# Altium PCB flight controller rev2.PcbDoc (part 1 of 3) (continued)
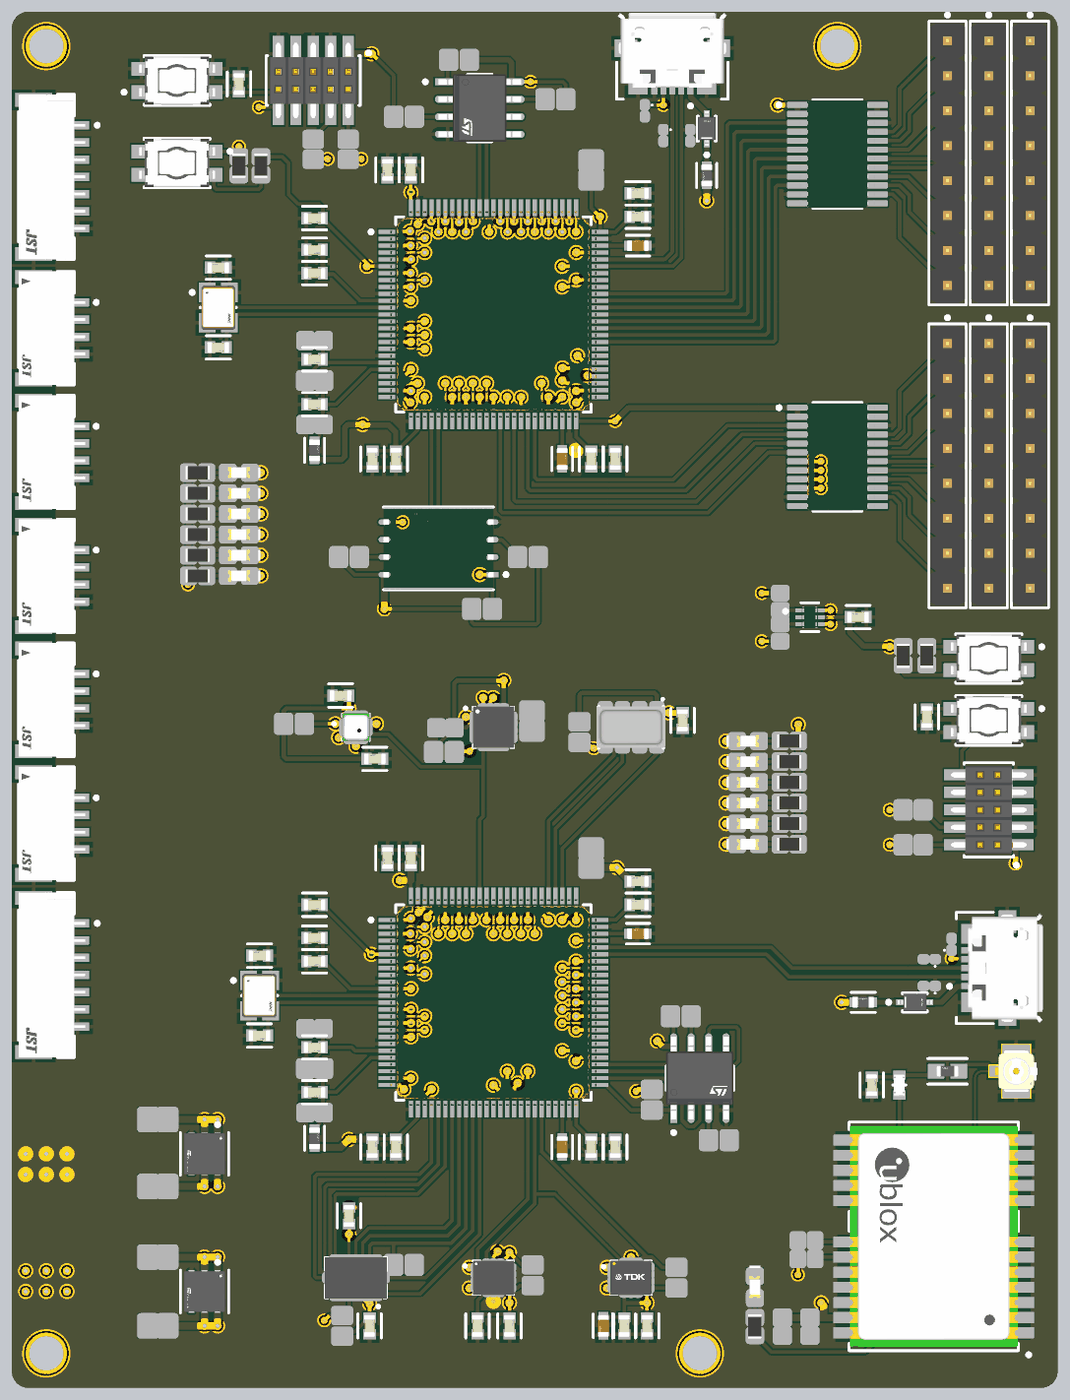
[diagram p6: 3D render of the assembled board from above, using the file's embedded part models]

## Layer stack, top to bottom
Top Solder: solder mask 0.5, Solder Resist, Dk 3.3
Top Layer: signal copper 1.378
Dielectric 1: prepreg 2.8, PP-006, Dk 4.1
horizontal: signal copper 1.378
Dielectric1: core 59, FR-4, Dk 4.3
vertical: signal copper 1.378
Dielectric 2: prepreg 2.8, PP-006, Dk 4.1
Bottom Layer: signal copper 1.378
Bottom Solder: solder mask 0.5, Solder Resist, Dk 3.3

## Board outline
0,47.24 ccw(c47.24,47.24) 47.24,0 2944.88,0 ccw(c2944.88,47.24) 2992.13,47.24 2992.13,3889.76 ccw(c2944.88,3889.76) 2944.88,3937.01 47.24,3937.01 ccw(c47.24,3889.76) 0,3889.76

## Design rules (kind name [scope] priority, off if disabled: settings)
Clearance Clearance_2 [WithinRoom('MP')] p1: gap=5 ignorepadtopadclearanceinfootprint=TRUE
Clearance Clearance_1 [WithinRoom('CP')] p2: gap=5 ignorepadtopadclearanceinfootprint=TRUE
Clearance [All] p3: gap=5 ignorepadtopadclearanceinfootprint=TRUE
DiffPairsRouting [All] p1: maxlimit=10 minlimit=10 mostfreqgap=10 toplayer_minwidth=10 toplayer_maxwidth=10 toplayer_prefwidth=10 midlayer1_minwidth=10 midlayer1_maxwidth=10 midlayer1_prefwidth=10 midlayer2_minwidth=10 midlayer2_maxwidth=10 midlayer2_prefwidth=10 bottomlayer_minwidth=10 bottomlayer_maxwidth=10 bottomlayer_prefwidth=10 maxuncoupledlength=500
HoleSize [All] p1: absolutevalues=TRUE maxlimit=300 minlimit=10 maxpercent=80.000 minpercent=20.000
MinimumAnnularRing [All] p1: minimumring=10
PasteMaskExpansion [All] p1: expansion=10
PlaneClearance [All] p1: clearance=15
PlaneConnect [All] p1: pad.planeconnectstyle=Relief pad.reliefexpansion=20 pad.reliefentries=4 pad.reliefconductorwidth=10 pad.reliefairgap=10 via.planeconnectstyle=Direct via.reliefexpansion=20 via.reliefentries=4 via.reliefconductorwidth=10 via.reliefairgap=10
PolygonConnect [All] p1: thpad.connectstyle=Relief thpad.reliefconductorwidth=10 thpad.reliefentries=4 thpad.polygonreliefangle="90 Angle" thpad.airgapwidth=10 smdpad.connectstyle=Relief smdpad.reliefconductorwidth=10 smdpad.reliefentries=4 smdpad.polygonreliefangle="90 Angle" smdpad.airgapwidth=10 via.connectstyle=Direct via.reliefconductorwidth=10 via.reliefentries=4 via.polygonreliefangle="90 Angle" via.airgapwidth=10
RoomDefinition CP [InComponentClass('Room Definition2')] p1: confinementstyle=ConfineIn formatcopy=TRUE lockcomponents=FALSE outline 1007.7,755.75 1007.7,1448.98 1724.55,1448.98 1724.55,755.75
RoomDefinition MP [InComponentClass('Room Definition1')] p2: confinementstyle=ConfineIn formatcopy=TRUE lockcomponents=FALSE outline 1007.7,2724.25 1007.7,3417.48 1724.55,3417.48 1724.55,2724.25
RoutingVias [All] p1: holewidth=10 width=20 viastyle="Through Hole" minholewidth=10 minwidth=20 maxholewidth=10 maxwidth=20
SMDNeckDown [All] p1: percent=100.000
SilkToSolderMaskClearance SilkscreenOverComponentPads [IsPad] p1: minsilkscreentomaskgap=10 clearancetoexposedcopper=TRUE
SolderMaskExpansion [All] p1: expansion=10 istentingtop=FALSE
SupplyNets "Schematic Supply Nets_4" [InNet('3V3_B')] p1: voltage=0.000
SupplyNets "Schematic Supply Nets_3" [InNet('3V3_A')] p2: voltage=0.000
SupplyNets "Schematic Supply Nets_2" [InNet('GND')] p3: voltage=0.000
SupplyNets "Schematic Supply Nets_1" [InNet('+5')] p4: voltage=0.000
Width [All] p1: maxlimit=70 minlimit=5 preferedwidth=10
24 further rules are at their usual default settings.

## Classes and differential pairs
component class "Room Definition2": U6
component class "Room Definition1": U3
component class Baro_Ma: C48 C49 C50 C51 C57 R24 R25 R26 U10 U11 U12
component class Power: C58 C59 C60 C61 C? J4 J5 J6 J7 J8 J9 J10 R1 R2 R3 R4 R51 R52 R53 R54 R55 R56 R57 R58 U2 U18 U?
component class IMU: C41 C42 C43 C44 C45 C46 C47 R20 R21 R22 R23 U7 U8 U9
component class PWM: P1 P2 P3 P4 P5 P6 U14 U15 U17
component class CoProcessor: C21 C22 C23 C24 C25 C26 C27 C28 C29 C30 C31 C32 C33 C34 C35 C36 C37 C38 C39 C40 FB2 R12 R17 R18 R19 U6 U16 Y2
component class MainProcessor: C1 C2 C3 C4 C5 C6 C7 C8 C9 C10 C11 C12 C13 C14 C15 C16 C17 C18 C19 C20 FB1 R5 R6 R7 R8 R9 R10 R11 U3 U4 U5 Y1
component class GPS: C52 C53 C54 D1 FB3 J1 R13 R14 R27 R28 U13
component class Debug: C55 C56 D2 D3 D4 D5 D6 D7 D8 D9 D10 D11 D12 D13 D14 D15 D16 D17 D18 D19 D20 D21 FB4 FB5 J2 J3 R29 R30 R31 R32 R35 R36 R37 R38 R39 R40 R41 R42 R43 R44 R45 R46 R47 R48 R49 R50 SW1 SW2 SW3 SW4 SWD1 SWD2

## Components (designator, comment, footprint, x,y, rotation, side; value= is the part's Value field where it differs from the comment)
C1 "10uF" CAPC2013X145X50LL20T25 1657.47,3484.25 r90 top locked
C2 "0.1uF" FP-C0603C-CF-MFG 866.13,3346.46 r180 top locked value="0.10 μF"
C3 "0.1uF" FP-C0603C-CF-MFG 1074.79,3484.25 r90 top locked value="0.10 μF"
C4 "0.1uF" FP-C0603C-CF-MFG 1141.72,3484.25 r90 top locked value="0.10 μF"
C5 "0.1uF" FP-C0603C-CF-MFG 1791.32,3350.39 r0 top locked value="0.10 μF"
C6 "0.1uF" FP-C0603C-CF-MFG 1791.32,3417.32 r0 top locked value="0.10 μF"
C7 "0.1uF" FP-C0603C-CF-MFG 1726.36,2657.48 r270 top locked value="0.10 μF"
C8 "0.1uF" FP-C0603C-CF-MFG 1657.47,2657.48 r270 top locked value="0.10 μF"
C9 "0.1uF" FP-C0603C-CF-MFG 1031.48,2657.48 r270 top locked value="0.10 μF"
C10 "0.1uF" FP-C0603C-CF-MFG 1098.41,2657.48 r270 top locked value="0.10 μF"
C11 "0.1uF" FP-C0603C-CF-MFG 866.13,3255.91 r180 top locked value="0.10 μF"
C12 "0.1uF" FP-C0603C-CF-MFG 866.13,3188.98 r180 top locked value="0.10 μF"
C13 "1uF" CAPC1608X90X35LL15T15 866.13,2755.91 r180 top locked
C14 "0.1uF" FP-C0603C-CF-MFG 866.13,2813.98 r180 top locked value="0.10 μF"
C15 "1uF" CAPC1608X90X35LL15T15 866.13,2996.06 r180 top locked
C16 "0.1uF" FP-C0603C-CF-MFG 866.13,2942.39 r180 top locked value="0.10 μF"
C17 "10pF" FP-C0603C-CF-MFG 590.54,2976.38 r180 top locked value="10 pF"
C18 "10pF" FP-C0603C-CF-MFG 590.54,3204.72 r0 top locked value="10 pF"
C19 "2.2uF" FP-GRM188-0_1-e0_2_0_5-MFG 1791.32,3267.72 r180 top locked
C20 "2.2uF" FP-GRM188-0_1-e0_2_0_5-MFG 1574.79,2657.48 r90 top locked
C21 "10uF" CAPC2013X145X50LL20T25 1657.47,1515.75 r90 top locked
C22 "0.1uF" FP-C0603C-CF-MFG 866.13,1381.89 r180 top locked value="0.10 μF"
C23 "0.1uF" FP-C0603C-CF-MFG 1074.79,1515.75 r90 top locked value="0.10 μF"
C24 "0.1uF" FP-C0603C-CF-MFG 1141.72,1515.75 r90 top locked value="0.10 μF"
C25 "0.1uF" FP-C0603C-CF-MFG 1791.32,1381.89 r0 top locked value="0.10 μF"
C26 "0.1uF" FP-C0603C-CF-MFG 1791.32,1448.82 r0 top locked value="0.10 μF"
C27 "0.1uF" FP-C0603C-CF-MFG 1726.36,688.98 r270 top locked value="0.10 μF"
C28 "0.1uF" FP-C0603C-CF-MFG 1657.47,688.98 r270 top locked value="0.10 μF"
C29 "0.1uF" FP-C0603C-CF-MFG 1031.48,688.98 r270 top locked value="0.10 μF"
C30 "0.1uF" FP-C0603C-CF-MFG 1098.41,688.98 r270 top locked value="0.10 μF"
C31 "0.1uF" FP-C0603C-CF-MFG 866.13,1287.4 r180 top locked value="0.10 μF"
C32 "0.1uF" FP-C0603C-CF-MFG 866.13,1220.47 r180 top locked value="0.10 μF"
C33 "1uF" CAPC1608X90X35LL15T15 866.13,787.4 r180 top locked
C34 "0.1uF" FP-C0603C-CF-MFG 866.13,845.47 r180 top locked value="0.10 μF"
C35 "1uF" CAPC1608X90X35LL15T15 866.13,1027.56 r180 top locked
C36 "0.1uF" FP-C0603C-CF-MFG 866.13,973.89 r180 top locked value="0.10 μF"
C37 "10pF" FP-C0603C-CF-MFG 708.65,1007.87 r180 top locked value="10 pF"
C38 "10pF" FP-C0603C-CF-MFG 708.65,1236.22 r0 top locked value="10 pF"
C39 "2.2uF" FP-GRM188-0_1-e0_2_0_5-MFG 1791.32,1299.21 r180 top locked
C40 "2.2uF" FP-GRM188-0_1-e0_2_0_5-MFG 1574.79,688.98 r90 top locked
C41 "0.1uF" FP-C0603C-CF-MFG 964.55,492.13 r90 top locked value="0.10 μF"
C42 "0.1uF" FP-C0603C-CF-MFG 1023.61,177.17 r270 top locked value="0.10 μF"
C43 "2.2uF" FP-GRM188-0_1-e0_2_0_5-MFG 1692.78,177.17 r270 top locked
C44 "0.1uF" FP-C0603C-CF-MFG 1817.5,177.17 r270 top locked value="0.10 μF"
C45 "0.1uF" FP-C0603C-CF-MFG 1751.95,177.17 r270 top locked value="0.10 μF"
C46 "0.1uF" FP-C0603C-CF-MFG 1423.71,177.17 r270 top locked value="0.10 μF"
C47 "0.1uF" FP-C0603C-CF-MFG 1332.17,177.17 r270 top locked value="0.10 μF"
C48 "0.1uF" FP-C0603C-CF-MFG 1919.28,1909.45 r270 top locked value="0.10 μF"
C49 "10uF" CAPC2013X145X50LL20T25 1488.17,1907.48 r90 top locked
C50 "0.1uF" FP-C0603C-CF-MFG 940.93,1980.32 r180 top value="0.10 μF"
C51 "0.1uF" FP-C0603C-CF-MFG 1038.57,1799.21 r0 top locked value="0.10 μF"
C52 "1uF" CAPC1608X90X35LL15T15 2204.71,175.2 r90 top locked
C53 "1uF" CAPC1608X90X35LL15T15 2283.45,175.2 r90 top locked
C54 "C0603C470J1GACTU" FP-C0603C-CF-MFG 2460.61,866.14 r270 top value="47 pF"
C55 "0.1uF" FP-C0603C-CF-MFG 649.59,3730.32 r90 top locked value="0.10 μF"
C56 "0.1uF" FP-C0603C-CF-MFG 2618.1,1919.29 r270 top locked value="0.10 μF"
C57 "1uF" CAPC1608X90X35LL15T15 1240.14,1887.99 r180 top locked
C58 "C0805C106K8RACTU" CAPC2013X145X50LL20T25 417.32,767.72 r180 top locked
C59 "C0805C106K8RACTU" CAPC2013X145X50LL20T25 417.32,576.18 r180 top locked
C60 "C0805C106K8RACTU" CAPC2013X145X50LL20T25 417.32,177.17 r180 top locked
C61 "C0805C106K8RACTU" CAPC2013X145X50LL20T25 417.32,374.02 r180 top locked
C? "0.1uF" FP-C0603C-CF-MFG 2421.26,2204.72 r0 top value="0.10 μF"
D1 "150060RS75000" WL-SMCW_0603_150060xx75000 2125.97,287.99 r270 top locked
D2 "SD103AWS-7-F" FP-SOD323-MFG 1988.17,3602.36 r90 top locked value=35pF
D3 "SD103AWS-7-F" FP-SOD323-MFG 2583.65,1102.85 r0 top locked value=35pF
D4 "150060RS75000" WL-SMCW_0603_150060xx75000 649.59,2618.11 r180 top locked
D5 "150060RS75000" WL-SMCW_0603_150060xx75000 649.59,2559.06 r180 top locked
D6 "150060RS75000" WL-SMCW_0603_150060xx75000 649.59,2500 r180 top locked
D7 "150060RS75000" WL-SMCW_0603_150060xx75000 649.59,2440.95 r180 top locked
D8 "150060RS75000" WL-SMCW_0603_150060xx75000 649.59,2381.89 r180 top locked
D9 "150060RS75000" WL-SMCW_0603_150060xx75000 649.59,2322.84 r180 top locked
D10 "150060RS75000" WL-SMCW_0603_150060xx75000 2106.28,1555.12 r0 top locked
D11 "150060RS75000" WL-SMCW_0603_150060xx75000 2106.28,1614.17 r0 top locked
D12 "150060RS75000" WL-SMCW_0603_150060xx75000 2106.28,1673.23 r0 top locked
D13 "150060RS75000" WL-SMCW_0603_150060xx75000 2106.28,1732.28 r0 top locked
D14 "150060RS75000" WL-SMCW_0603_150060xx75000 2106.28,1791.34 r0 top locked
D15 "150060RS75000" WL-SMCW_0603_150060xx75000 2106.28,1850.39 r0 top locked
D16 "ESD9B5.0ST5G" ONSC-SOD-923-2-514AB-01_V 1940.93,3582.68 r270 top locked
D17 "ESD9B5.0ST5G" ONSC-SOD-923-2-514AB-01_V 1864.16,3582.68 r270 top locked
D18 "ESD9B5.0ST5G" ONSC-SOD-923-2-514AB-01_V 1811.02,3653.54 r270 top locked
D19 "ESD9B5.0ST5G" ONSC-SOD-923-2-514AB-01_V 2625.18,1149.61 r180 top locked
D20 "ESD9B5.0ST5G" ONSC-SOD-923-2-514AB-01_V 2625.18,1226.38 r180 top locked
D21 "ESD9B5.0ST5G" ONSC-SOD-923-2-514AB-01_V 2688.96,1268.5 r90 top locked
FB1 "BLM18PG471SN1D" FP-BLM18-0_15-t0_8-MFG 866.13,2682.3 r90 top locked
FB2 "BLM18PG471SN1D" FP-BLM18-0_15-t0_8-MFG 866.13,713.79 r90 top locked
FB3 "MPZ1608D300BTA00" FP-MPZ1608-0_8-IPC_A 2677.15,905.51 r180 top locked
FB4 "BLM18PG471SN1D" FP-BLM18-0_15-t0_8-MFG 1988.17,3468.7 r270 top locked
FB5 "BLM18PG471SN1D" FP-BLM18-0_15-t0_8-MFG 2436.01,1102.85 r180 top locked
J1 "U.FL-R-SMT-1(10)" FP-U_FL-R-SMT-1_10-MFG 2874,905.51 r90 top locked
J2 "473460001" FP-473460001-MFG 1889.75,3818.9 r180 top locked
J3 "473460001" FP-473460001-MFG 2834.63,1200.79 r90 top locked
J4 "SM07B-GHS-TB(LF)(SN)" FP-SM07B-GHS-TB_LF_SN-MFG 98.43,3464.57 r270 top locked
J5 "SM04B-GHS-TB(LF)(SN)" FP-SM04B-GHS-TB_LF_SN-MFG 98.43,3031.5 r270 top locked
J6 "SM04B-GHS-TB(LF)(SN)" FP-SM04B-GHS-TB_LF_SN-MFG 98.43,2677.17 r270 top locked
J7 "SM04B-GHS-TB(LF)(SN)" FP-SM04B-GHS-TB_LF_SN-MFG 98.43,2322.83 r270 top locked
J8 "SM04B-GHS-TB(LF)(SN)" FP-SM04B-GHS-TB_LF_SN-MFG 98.43,1968.5 r270 top locked
J9 "SM04B-GHS-TB(LF)(SN)" FP-SM04B-GHS-TB_LF_SN-MFG 98.43,1614.17 r270 top locked
J10 "SM07B-GHS-TB(LF)(SN)" FP-SM07B-GHS-TB_LF_SN-MFG 98.43,1181.1 r270 top locked
P1 "61300811121" 61300811121 2677.15,2637.8 r270 top locked
P2 "61300811121" 61300811121 2795.26,2637.8 r270 top locked
P3 "61300811121" 61300811121 2913.37,2637.8 r270 top locked
P4 "61300811121" 61300811121 2677.15,3503.94 r270 top locked
P5 "61300811121" 61300811121 2795.26,3503.94 r270 top locked
P6 "61300811121" 61300811121 2913.37,3503.94 r270 top locked
R1 "ERJ-3GEYJ472V" RESC1608X55X30LL15T15#1 62.99,2396.65 r180 bottom locked
R2 "ERJ-3GEYJ472V" RESC1608X55X30LL15T15#1 62.99,2347.44 r0 bottom locked
R3 "ERJ-3GEYJ472V" RESC1608X55X30LL15T15#1 62.99,1687.99 r180 bottom locked
R4 "ERJ-3GEYJ472V" RESC1608X55X30LL15T15#1 62.99,1638.78 r180 bottom locked
R5 "100K" RESC1608X55X30ML20T10 1476.36,2376.58 r0 top locked
R6 "100K" RESC1608X55X30ML20T10 964.55,2376.58 r180 top locked
R7 "100K" RESC1608X55X30ML20T10 1345.48,2228.35 r180 top locked
R8 "100K" RESC1608X55X30ML20T10 1122.03,3636.42 r180 top locked
R9 "100K" RESC1608X55X30ML20T10 1555.1,3686.42 r0 top locked
R10 "100K" RESC1608X55X30ML20T10 1279.51,3799.21 r0 top locked
R11 "ERA3AEB470V" RESC1608X55X30NL20T20 866.13,2881.89 r0 top locked
R12 "ERA3AEB470V" RESC1608X55X30NL20T20 866.13,913.39 r0 top locked
R13 "ERJ-3GEYJ472V" RESC1608X55X30LL15T15#1 2273.62,368.85 r0 top locked
R14 "ERJ-3GEYJ472V" RESC1608X55X30LL15T15#1 2273.62,421.26 r0 top locked
R17 "100K" RESC1608X55X30ML20T10 2023.02,708.66 r0 top locked
R18 "100K" RESC1608X55X30ML20T10 1913.96,1062.99 r180 top locked
R19 "100K" RESC1608X55X30ML20T10 1830.69,824.17 r90 top locked
R20 "100K" RESC1608X55X30ML20T10 944.87,177.17 r270 top locked
R21 "100K" RESC1608X55X30ML20T10 1121.75,351.54 r0 top locked
R22 "100K" RESC1608X55X30ML20T10 1901.56,314.96 r270 top locked
R23 "100K" RESC1608X55X30ML20T10 1490.02,322.01 r270 top locked
R24 "100K" RESC1608X55X30ML20T10 1624,1875.98 r90 top locked
R25 "100K" RESC1608X55X30ML20T10 1236.21,1818.9 r180 top locked
R26 "100K" RESC1608X55X30ML20T10 807.07,1899.61 r180 top locked
R27 "ERJ-3EKF3300V" RESC1608X55X30LL15T15#2 2125.97,175.2 r90 top locked
R28 "ERJ-3EKF10R0V" FP-ERJ3EK-MFG 2539.36,866.14 r270 top value=10Ω
R29 "ERJ-3EKF49R9V" RESC1608X55X30ML15T15 962.19,3543.31 r270 top locked
R30 "ERJ-3EKF49R9V" RESC1608X55X30ML15T15 862.19,3543.31 r270 top locked
R31 "ERJ-3EKF49R9V" RESC1608X55X30ML15T15 2578.73,1553.54 r180 top locked
R32 "ERJ-3EKF49R9V" RESC1608X55X30ML15T15 2578.73,1653.54 r180 top locked
R35 "10K" RESC1609X55X30LL15T15 649.59,3496.06 r90 top locked
R36 "10K" RESC1609X55X30LL15T15 712.58,3496.06 r270 top locked
R37 "10K" RESC1609X55X30LL15T15 2618.1,2094.49 r90 top locked
R38 "10K" RESC1609X55X30LL15T15 2550.18,2094.49 r270 top locked
R39 "ERJ-3EKF3300V" RESC1608X55X30LL15T15#2 531.48,2618.11 r0 top locked
R40 "ERJ-3EKF3300V" RESC1608X55X30LL15T15#2 531.48,2559.06 r0 top locked
R41 "ERJ-3EKF3300V" RESC1608X55X30LL15T15#2 531.48,2500 r0 top locked
R42 "ERJ-3EKF3300V" RESC1608X55X30LL15T15#2 531.48,2440.95 r0 top locked
R43 "ERJ-3EKF3300V" RESC1608X55X30LL15T15#2 531.48,2381.89 r0 top locked
R44 "ERJ-3EKF3300V" RESC1608X55X30LL15T15#2 531.48,2322.84 r0 top locked
R45 "ERJ-3EKF3300V" RESC1608X55X30LL15T15#2 2224.39,1555.12 r180 top locked
R46 "ERJ-3EKF3300V" RESC1608X55X30LL15T15#2 2224.39,1614.17 r180 top locked
R47 "ERJ-3EKF3300V" RESC1608X55X30LL15T15#2 2224.39,1673.23 r180 top locked
R48 "ERJ-3EKF3300V" RESC1608X55X30LL15T15#2 2224.39,1732.28 r180 top locked
R49 "ERJ-3EKF3300V" RESC1608X55X30LL15T15#2 2224.39,1791.34 r180 top locked
R50 "ERJ-3EKF3300V" RESC1608X55X30LL15T15#2 2224.39,1850.39 r180 top locked
R51 "ERJ-3GEYJ101V" RESC1608X55X30LL15T15#1 196.85,2775.59 r270 bottom
R52 "ERJ-3GEYJ101V" RESC1608X55X30LL15T15#1 255.91,2726.38 r270 bottom
R53 "ERJ-3GEYJ101V" RESC1608X55X30LL15T15#1 192.91,3131.89 r270 bottom
R54 "ERJ-3GEYJ101V" RESC1608X55X30LL15T15#1 251.97,3082.68 r270 bottom
R55 "ERJ-3GEYJ101V" RESC1608X55X30LL15T15#1 255.91,2017.72 r90 bottom
R56 "ERJ-3GEYJ101V" RESC1608X55X30LL15T15#1 196.85,1968.5 r90 bottom
R57 "ERJ-3GEYJ101V" RESC1608X55X30LL15T15#1 2198.8,2249.02 r270 top
R58 "ERJ-3GEYJ101V" RESC1608X55X30LL15T15#1 2198.8,2160.43 r90 top
SW1 "EVQ-P2402M" FP-EVQ-P2402M-MFG 472.43,3740.16 r90 top locked
SW2 "EVQ-P2402M" FP-EVQ-P2402M-MFG 472.43,3503.94 r270 top locked
SW3 "EVQ-P2402M" FP-EVQ-P2402M-MFG 2795.26,1909.45 r270 top locked
SW4 "EVQ-P2402M" FP-EVQ-P2402M-MFG 2795.26,2086.61 r270 top locked
SWD1 "M50-3600542R" FP-M50-3600542R-MFG 862.19,3740.16 r180 top locked
SWD2 "M50-3600542R" FP-M50-3600542R-MFG 2795.26,1653.54 r90 top locked
U2 "LD39200PU33R" FP-DFN6-7946637-MFG 551.18,669.29 r270 top locked
U3 "STM32H753VIT6" FP-LQFP100-1L-MFG 1377.94,3070.87 r0 top locked
U4 "MT29F4G01ABAFDWB-IT:F" FP-WB-IPC_B 1220.46,2401.58 r180 top locked
U5 "M95M04-DRMN6TP" FP-SO8N-SO-A-IPC_C 1338.57,3661.42 r0 top locked
U6 "STM32H753VIT6" FP-LQFP100-1L-MFG 1377.94,1102.36 r0 top locked
U7 "BMI088" PQFN50P450X300X100-16N 984.24,314.96 r180 top locked
U8 "ICM-42688-P" PQFN50P300X250X97-14N 1771.64,314.96 r0 top locked
U9 "ICM-45686" IC_ICM-45686 1377.94,314.96 r0 top locked
U10 "MS561101BA03-50" MS561101BA03-50 1771.64,1889.76 r270 top locked
U11 "ICP-20100" PQFN50P200X200X85-10N 984.24,1889.76 r0 top locked
U12 "MMC5983MA" PQFN50P300X300X100-16N 1377.94,1889.76 r0 top locked
U13 "NEO-M9N-00B" FP-NEO-M9N-00B-MFG 2637.78,433.07 r270 top locked
U14 "SN74LVC8T245PWR" FP-PW0024A-MFG 2362.19,2663.39 r0 top locked
U15 "SN74LVC8T245PWR" FP-PW0024A-MFG 2362.19,3529.53 r0 top locked
U16 "M95M04-DRMN6TP" FP-SO8N-SO-A-IPC_C 1968.49,885.83 r90 top locked
U17 "SN74CB3T3245PWR" FP-PW0020A-MFG 590.54,2086.61 r270 bottom locked
U18 "LD39200PU33R" FP-DFN6-7946637-MFG 551.18,275.59 r270 top locked
U? "SN74LVC2G34DRLR" FP-DRL0006A-MFG 2283.46,2204.72 r0 top
Y1 "NX3225SA-25.000M-STD-CRS-2" FP-NX3225SA-MFG 590.54,3090.55 r270 top locked
Y2 "NX3225SA-25.000M-STD-CRS-2" FP-NX3225SA-MFG 708.65,1122.05 r270 top locked

## Footprints (in the part's own frame and the unit in brackets; to place one, negate y for a bottom-side part, rotate by r counter-clockwise, add the part's x,y. Pads: shape width x height; smd on the part's side, far side on the other; paste and mask are expansions set on the pad)
61300811121 [mm] "Pin Header, pitch 2.54 mm, THT, Vertical, single row, 8p"
  rrect50% 1.6x1.6 hole 1.1: 1(-8.89,0)
  round 1.6 hole 1.1: 2(-6.35,0) 3(-3.81,0) 4(-1.27,0) 5(1.27,0) 6(3.81,0) 7(6.35,0) 8(8.89,0)
  silkscreen extent -10.88,-1.35 10.31,1.35, body extent -10.16,-1.27 10.16,1.27, height 8.57
CAPC1608X90X35LL15T15 [mm] "Chip Capacitor, 2-Leads, Body 1.60x0.81mm, IPC High Density"
  rect 0.85x0.9 smd: 1(-0.65,0) 2(0.65,0)
  body extent -0.88,-0.48 0.87,0.48, height 0.9
CAPC2013X145X50LL20T25 [mm] "Chip Capacitor, 2-Leads, Body 2.00x1.25mm, IPC High Density"
  rect 1.1x1.35 smd: 1(-0.7,0) 2(0.7,0)
  body extent -1.1,-0.72 1.1,0.72, height 1.45
FP-473460001-MFG [mm]
  rect 0.45x1.38 smd paste+0 mask+0: 1(-1.3,2.31) 2(-0.65,2.31) 3(0,2.31) 4(0.65,2.31) 5(1.3,2.31)
  rect 1.425x1.55 smd paste+0 mask+0: 6(-2.488,2.225) 7(2.488,2.225)
  rect 1.65x1.3 smd paste+0 mask+0: 8(-3.375,-0.35) 11(3.375,-0.35)
  rect 1.8x1.9 smd paste+0 mask+0: 9(-1.15,-0.35)
  rect 1x1.9 smd paste+0 mask+0: 10(1.55,-0.35)
  silkscreen extent -4.05,0.67 4.05,3.97, body extent -4.3,-2.48 4.3,3.45, height 0.25
FP-BLM18-0_15-t0_8-MFG [mm]
  rect 0.65x0.7 smd paste+0 mask+0: 1(-0.675,0) 2(0.675,0)
  silkscreen extent -0.87,-0.72 0.87,0.72, body extent -1.1,-0.58 1.1,0.58, height 0.25
FP-C0603C-CF-MFG [mm]
  rect 0.75x0.9 smd paste+0 mask+0: 1(-0.6,0) 2(0.6,0)
  silkscreen extent -0.87,-0.85 0.88,0.85, body extent -1.2,-0.6 1.2,0.6, height 0.25
FP-DFN6-7946637-MFG [mm]
  round 0.405 smd paste+0 mask+0: 1(-1.3,0.95) 2(-1.321,0) 3(-1.321,-0.95) 4(1.3,-0.95) 5(1.321,0) 6(1.321,0.95)
  rect 1.75x2.5 smd paste+0 mask+0: 7(0,0)
  Top Layer region: -1.55,0.225 -1.275,0.225 -1.189,0.208 -1.116,0.159 -1.067,0.086 -1.05,0 -1.05,0 -1.067,-0.086 -1.116,-0.159 -1.189,-0.208 -1.275,-0.225 -1.275,-0.225 -1.55,-0.225
  Top Layer region: -1.55,1.175 -1.275,1.175 -1.189,1.158 -1.116,1.109 -1.067,1.036 -1.05,0.95 -1.05,0.95 -1.067,0.864 -1.116,0.791 -1.189,0.742 -1.275,0.725 -1.275,0.725 -1.55,0.725
  Top Layer region: 1.55,-1.175 1.275,-1.175 1.189,-1.158 1.116,-1.109 1.067,-1.036 1.05,-0.95 1.05,-0.95 1.067,-0.864 1.116,-0.791 1.189,-0.742 1.275,-0.725 1.275,-0.725 1.55,-0.725
  Top Layer region: 1.55,-0.225 1.275,-0.225 1.189,-0.208 1.116,-0.159 1.067,-0.086 1.05,0 1.05,0 1.067,0.086 1.116,0.159 1.189,0.208 1.275,0.225 1.275,0.225 1.55,0.225
  Top Layer region: 1.55,0.725 1.275,0.725 1.189,0.742 1.116,0.791 1.067,0.864 1.05,0.95 1.05,0.95 1.067,1.036 1.116,1.109 1.189,1.158 1.275,1.175 1.275,1.175 1.55,1.175
  Top Layer region: -1.55,-0.725 -1.275,-0.725 -1.189,-0.742 -1.116,-0.791 -1.067,-0.864 -1.05,-0.95 -1.05,-0.95 -1.067,-1.036 -1.116,-1.109 -1.189,-1.158 -1.275,-1.175 -1.275,-1.175 -1.55,-1.175
  silkscreen extent -2.25,-1.75 1.55,1.75, body extent -1.65,-1.65 1.65,1.65, height 0.25
FP-DRL0006A-MFG [mm]
  rrect33% 0.67x0.3 smd paste+0 mask+0: 1(-0.74,0.5) 2(-0.74,0) 3(-0.74,-0.5) 4(0.74,-0.5) 5(0.74,0) 6(0.74,0.5)
  silkscreen extent -1.9,-1.05 0.65,1.05, body extent -1.17,-1.1 1.17,1.1, height 0.25
FP-ERJ3EK-MFG [mm]
  rect 0.65x0.9 smd paste+0 mask+0: 1(-0.725,0) 2(0.725,0)
  silkscreen extent 0,-0.48 0,0.48, body extent -1.15,-0.58 1.15,0.58, height 0.25
FP-EVQ-P2402M-MFG [mm]
  rect 1x1.45 smd paste+0 mask+0: 1(-0.85,2.575) 2(0.85,2.575) 3(-0.85,-2.575) 4(0.85,-2.575)
  silkscreen extent -1.8,-2.4 1.8,3.97, body extent -1.9,-3.4 1.9,3.4, height 0.25
FP-GRM188-0_1-e0_2_0_5-MFG [mm]
  rect 0.65x0.7 smd paste+0 mask+0: 1(-0.675,0) 2(0.675,0)
  silkscreen extent -0.85,-0.75 0.85,0.75, body extent -1.1,-0.55 1.1,0.55, height 0.25
FP-LQFP100-1L-MFG [mm]
  rect 1.2x0.3 smd paste+0 mask+0: 1(-7.75,6) 2(-7.75,5.5) 3(-7.75,5) 4(-7.75,4.5) 5(-7.75,4) 6(-7.75,3.5) 7(-7.75,3) 8(-7.75,2.5) 9(-7.75,2) 10(-7.75,1.5) 11(-7.75,1) 12(-7.75,0.5) 13(-7.75,0) 14(-7.75,-0.5) 15(-7.75,-1) 16(-7.75,-1.5) 17(-7.75,-2) 18(-7.75,-2.5) 19(-7.75,-3) 20(-7.75,-3.5) 21(-7.75,-4) 22(-7.75,-4.5) 23(-7.75,-5) 24(-7.75,-5.5) 25(-7.75,-6) 51(7.75,-6) 52(7.75,-5.5) 53(7.75,-5) 54(7.75,-4.5) 55(7.75,-4) 56(7.75,-3.5) 57(7.75,-3) 58(7.75,-2.5) 59(7.75,-2) 60(7.75,-1.5) 61(7.75,-1) 62(7.75,-0.5) 63(7.75,0) 64(7.75,0.5) 65(7.75,1) 66(7.75,1.5) 67(7.75,2) 68(7.75,2.5) 69(7.75,3) 70(7.75,3.5) 71(7.75,4) 72(7.75,4.5) 73(7.75,5) 74(7.75,5.5) 75(7.75,6)
  rect 0.3x1.2 smd paste+0 mask+0: 26(-6,-7.75) 27(-5.5,-7.75) 28(-5,-7.75) 29(-4.5,-7.75) 30(-4,-7.75) 31(-3.5,-7.75) 32(-3,-7.75) 33(-2.5,-7.75) 34(-2,-7.75) 35(-1.5,-7.75) 36(-1,-7.75) 37(-0.5,-7.75) 38(0,-7.75) 39(0.5,-7.75) 40(1,-7.75) 41(1.5,-7.75) 42(2,-7.75) 43(2.5,-7.75) 44(3,-7.75) 45(3.5,-7.75) 46(4,-7.75) 47(4.5,-7.75) 48(5,-7.75) 49(5.5,-7.75) 50(6,-7.75) 76(6,7.75) 77(5.5,7.75) 78(5,7.75) 79(4.5,7.75) 80(4,7.75) 81(3.5,7.75) 82(3,7.75) 83(2.5,7.75) 84(2,7.75) 85(1.5,7.75) 86(1,7.75) 87(0.5,7.75) 88(0,7.75) 89(-0.5,7.75) 90(-1,7.75) 91(-1.5,7.75) 92(-2,7.75) 93(-2.5,7.75) 94(-3,7.75) 95(-3.5,7.75) 96(-4,7.75) 97(-4.5,7.75) 98(-5,7.75) 99(-5.5,7.75) 100(-6,7.75)
  silkscreen extent -9.02,-7.1 7.1,7.1, body extent -8.45,-8.45 8.45,8.45, height 0.25
FP-M50-3600542R-MFG [mm]
  rect 0.8x2.62 smd paste+0 mask+0: 1(-2.54,-1.94) 2(-2.54,1.94) 3(-1.27,-1.94) 4(-1.27,1.94) 5(0,-1.94) 6(0,1.94) 7(1.27,-1.94) 8(1.27,1.94) 9(2.54,-1.94) 10(2.54,1.94)
  silkscreen extent -4.15,-2.13 3.42,1.8, body extent -3.52,-3.35 3.52,3.35, height 0.25
FP-MPZ1608-0_8-IPC_A [mil]
  rect 47.48x41.66 smd paste+0 mask+0: 1(-32.52,0) 2(32.52,0)
  silkscreen extent -56,-37 56,37, body extent -76,-41 76,41, height 10
FP-NEO-M9N-00B-MFG [mm]
  rect 0.8x1.8 smd paste-1000 mask-1000: 1(7,6) 2(5.9,6) 3(4.8,6) 4(3.7,6) 5(2.6,6) 6(1.5,6) 7(0.4,6) 8(-2.6,6) 9(-3.7,6) 10(-4.8,6) 11(-5.9,6) 12(-7,6) 13(-7,-6) 14(-5.9,-6) 15(-4.8,-6) 16(-3.7,-6) 17(-2.6,-6) 18(0.4,-6) 19(1.5,-6) 20(2.6,-6) 21(3.7,-6) 22(4.8,-6) 23(5.9,-6) 24(7,-6)
  silkscreen extent -8.3,-6.15 8.72,7.02, body extent -8.4,-7.4 8.4,7.4, height 0.25
FP-NX3225SA-MFG [mm]
  rect 1.4x1.2 smd paste+0 mask+0: 1(-1.1,-0.8) 2(1.1,-0.8) 3(1.1,0.8) 4(-1.1,0.8)
  silkscreen extent -1.22,-2.02 0.03,1.3, body extent -1.9,-1.5 1.9,1.5, height 0.25
FP-PW0020A-MFG [mm]
  rect 1.6x0.3 smd paste-1000 mask+0: 1(-2.8,2.925) 2(-2.8,2.275) 3(-2.8,1.625) 4(-2.8,0.975) 5(-2.8,0.325) 6(-2.8,-0.325) 7(-2.8,-0.975) 8(-2.8,-1.625) 9(-2.8,-2.275) 10(-2.8,-2.925) 11(2.8,-2.925) 12(2.8,-2.275) 13(2.8,-1.625) 14(2.8,-0.975) 15(2.8,-0.325) 16(2.8,0.325) 17(2.8,0.975) 18(2.8,1.625) 19(2.8,2.275) 20(2.8,2.925)
  silkscreen extent -4.3,-3.3 1.63,3.3, body extent -3.2,-3.25 3.2,3.25, height 1.2
FP-PW0024A-MFG [mm]
  rrect22% 1.5x0.45 smd paste+0 mask+0: 1(-2.9,3.575) 2(-2.9,2.925) 3(-2.9,2.275) 4(-2.9,1.625) 5(-2.9,0.975) 6(-2.9,0.325) 7(-2.9,-0.325) 8(-2.9,-0.975) 9(-2.9,-1.625) 10(-2.9,-2.275) 11(-2.9,-2.925) 12(-2.9,-3.575) 13(2.9,-3.575) 14(2.9,-2.925) 15(2.9,-2.275) 16(2.9,-1.625) 17(2.9,-0.975) 18(2.9,-0.325) 19(2.9,0.325) 20(2.9,0.975) 21(2.9,1.625) 22(2.9,2.275) 23(2.9,2.925) 24(2.9,3.575)
  silkscreen extent -4.37,-3.95 1.78,3.95, body extent -3.75,-4.2 3.75,4.2, height 0.25
FP-SM04B-GHS-TB_LF_SN-MFG [mm]
  rect 0.6x1.7 smd paste+0 mask+0: 1(-1.875,2.275) 2(-0.625,2.275) 3(0.625,2.275) 4(1.875,2.275)
  rect 1x2.7 smd paste+0 mask+0: 5(-3.725,-0.925) 6(3.725,-0.925)
  silkscreen extent -4.13,-2.02 4.13,3.75, body extent -4.33,-2.37 4.33,3.22, height 0.25
FP-SM07B-GHS-TB_LF_SN-MFG [mm]
  rect 0.6x1.7 smd paste+0 mask+0: 1(-3.75,2.275) 2(-2.5,2.275) 3(-1.25,2.275) 4(0,2.275) 5(1.25,2.275) 6(2.5,2.275) 7(3.75,2.275)
  rect 1x2.7 smd paste+0 mask+0: 8(-5.6,-0.925) 9(5.6,-0.925)
  silkscreen extent -6,-2.02 6,3.83, body extent -6.2,-2.37 6.2,3.22, height 0.25
FP-SO8N-SO-A-IPC_C [mil]
  rect 73.78x20.16 smd paste+0 mask+0: 1(-91.18,75)
  rrect100% 73.78x20.16 smd paste+0 mask+0: 2(-91.18,25) 3(-91.18,-25) 4(-91.18,-75) 5(91.18,-75) 6(91.18,-25) 7(91.18,25) 8(91.18,75)
  silkscreen extent -161,-96 35,96, body extent -132,-100 132,100, height 10
FP-SOD323-MFG [mm]
  rect 0.59x0.45 smd paste+0 mask+0: 1(-1.055,0) 2(1.055,0)
  silkscreen extent -2.02,-0.7 0.9,0.7, body extent -1.45,-0.8 1.45,0.8, height 0.25
FP-U_FL-R-SMT-1_10-MFG [mm]
  rect 1x1.05 smd paste-1000 mask+0: 1(0,1.525)
  rect 1.05x2.2 smd paste-1000 mask+0: 2(-1.475,0) 3(1.475,0)
  silkscreen extent -0.58,-1.38 0.58,-1.38, body extent -2.1,-1.48 2.1,2.15, height 0.25
FP-WB-IPC_B [mil]
  rect 33.9x15.45 smd paste+0 mask+0: 1(-154.55,75)
  rrect100% 33.9x15.45 smd paste+0 mask+0: 2(-154.55,25) 3(-154.55,-25) 4(-154.55,-75) 5(154.55,-75) 6(154.55,-25) 7(154.55,25) 8(154.55,75)
  silkscreen extent -198,-118 157,118, body extent -181,-128 181,128, height 10
IC_ICM-45686 [mm]
  rect 0.475x0.25 smd mask+0.05: 1(-1.162,0.75) 2(-1.162,0.25) 3(-1.162,-0.25) 4(-1.162,-0.75) 8(1.162,-0.75) 9(1.162,-0.25) 10(1.162,0.25) 11(1.162,0.75)
  rect 0.25x0.475 smd mask+0.05: 5(-0.5,-0.913) 6(0,-0.913) 7(0.5,-0.913) 12(0.5,0.913) 13(0,0.913) 14(-0.5,0.913)
  Keep-Out Layer region: 0.9,-0.65 -0.9,-0.65 -0.9,0.65 0.9,0.65
  silkscreen extent -2.17,-1.25 1.5,1.25, body extent -1.5,-1.25 1.5,1.25, height 0.86
MS561101BA03-50 [mm]
  rect 1.1x0.6 smd: 1(-1.1,1.875) 2(-1.1,0.625) 3(-1.1,-0.625) 4(-1.1,-1.875) 5(1.1,-1.875) 6(1.1,-0.625) 7(1.1,0.625) 8(1.1,1.875)
  silkscreen extent -2.08,-2.35 1.5,2.35, body extent -1.5,-2.5 1.5,2.5, height 0.95
ONSC-SOD-923-2-514AB-01_V [mm] "SOD, 2-Leads, Body 0.8x0.6mm"
  rect 0.36x0.25 smd: 1(-0.42,0) 2(0.42,0)
  silkscreen extent -0.47,0.48 -0.37,0.58, body extent -0.4,-0.3 0.4,0.3, height 0.4
PQFN50P200X200X85-10N [mm]
  rrect25% 0.39x0.35 smd: 1(-0.78,0.25) 2(-0.78,-0.25) 6(0.78,-0.25) 7(0.78,0.25)
  rrect25% 0.35x0.39 smd: 3(-0.5,-0.78) 4(0,-0.78) 5(0.5,-0.78) 8(0.5,0.78) 9(0,0.78) 10(-0.5,0.78)
  silkscreen extent -1.69,-1 1,1, body extent -1,-1 1,1, height 0.85
PQFN50P300X250X97-14N [mm]
  rrect50% 0.59x0.35 smd mask+0: 1(-1.165,0.75) 2(-1.165,0.25) 3(-1.165,-0.25) 4(-1.165,-0.75) 8(1.165,-0.75) 9(1.165,-0.25) 10(1.165,0.25) 11(1.165,0.75)
  rrect50% 0.35x0.59 smd mask+0: 5(-0.5,-0.915) 6(0,-0.915) 7(0.5,-0.915) 12(0.5,0.915) 13(0,0.915) 14(-0.5,0.915)
  silkscreen extent -2.1,-1.25 1.5,1.25, body extent -1.5,-1.25 1.5,1.25, height 0.9
PQFN50P300X300X100-16N [mm]
  rect 0.45x0.3 smd: 1(-1.275,0.75) 2(-1.275,0.25) 3(-1.275,-0.25) 4(-1.275,-0.75) 9(1.275,-0.75) 10(1.275,-0.25) 11(1.275,0.25) 12(1.275,0.75)
  rect 0.3x0.45 smd: 5(-0.75,-1.275) 6(-0.25,-1.275) 7(0.25,-1.275) 8(0.75,-1.275) 13(0.75,1.275) 14(0.25,1.275) 15(-0.25,1.275) 16(-0.75,1.275)
  silkscreen extent -2.13,-1.5 1.5,1.5, body extent -1.5,-1.5 1.5,1.5, height 1
PQFN50P450X300X100-16N [mm]
  rect 0.35x0.59 smd: 1(-1.5,1.165) 2(-1,1.165) 3(-0.5,1.165) 4(0,1.165) 5(0.5,1.165) 6(1,1.165) 7(1.5,1.165) 9(1.5,-1.165) 10(1,-1.165) 11(0.5,-1.165) 12(0,-1.165) 13(-0.5,-1.165) 14(-1,-1.165) 15(-1.5,-1.165)
  rect 0.59x0.35 smd: 8(1.915,0) 16(-1.915,0)
  silkscreen extent -2.25,-1.5 2.25,2.2, body extent -2.25,-1.5 2.25,1.5, height 1
RESC1608X55X30LL15T15#1 [mm] "Chip Resistor, 2-Leads, Body 1.60x0.80mm, IPC High Density"
  rect 0.7x0.85 smd: 1(-0.625,0) 2(0.625,0)
  body extent -0.87,-0.48 0.87,0.48, height 0.55
RESC1608X55X30LL15T15#2 [mm] "Chip Resistor, 2-Leads, Body 1.75x0.95mm, IPC High Density"
  rect 0.75x0.85 smd: 1(-0.65,0) 2(0.65,0)
  body extent -0.87,-0.48 0.87,0.48, height 0.55
RESC1608X55X30ML15T15 [mm] "Chip Resistor, 2-Leads, Body 1.60x0.80mm, IPC Low Density"
  rect 0.9x1.05 smd: 1(-0.725,0) 2(0.725,0)
  body extent -0.87,-0.48 0.87,0.48, height 0.55
RESC1608X55X30ML20T10 [mm] "Chip Resistor, 2-Leads, Body 1.60x0.80mm, IPC Low Density"
  rect 0.9x1.1 smd: 1(-0.75,0) 2(0.75,0)
  body extent -0.9,-0.5 0.9,0.5, height 0.55
RESC1608X55X30NL20T20 [mm] "Chip Resistor, 2-Leads, Body 1.60x0.80mm, IPC Medium Density"
  rect 0.9x1 smd: 1(-0.65,0) 2(0.65,0)
  body extent -0.9,-0.5 0.9,0.5, height 0.55
RESC1609X55X30LL15T15 [mm] "Chip Resistor, 2-Leads, Body 1.75x0.95mm, IPC High Density"
  rect 0.75x0.85 smd: 1(-0.65,0) 2(0.65,0)
  body extent -0.87,-0.48 0.87,0.48, height 0.55
WL-SMCW_0603_150060xx75000 [mm] "SMD Mono-color Chip LED, body 1.60 x 0.80 mm"
  rect 0.8x0.8 smd: 1(-0.8,0) 2(0.8,0)
  silkscreen extent -1.55,-0.4 -1.4,0.4, body extent -0.8,-0.4 0.8,0.4, height 0.7